# Altium PCB STM32H743II.PcbDoc (part 1 of 3) (continued)
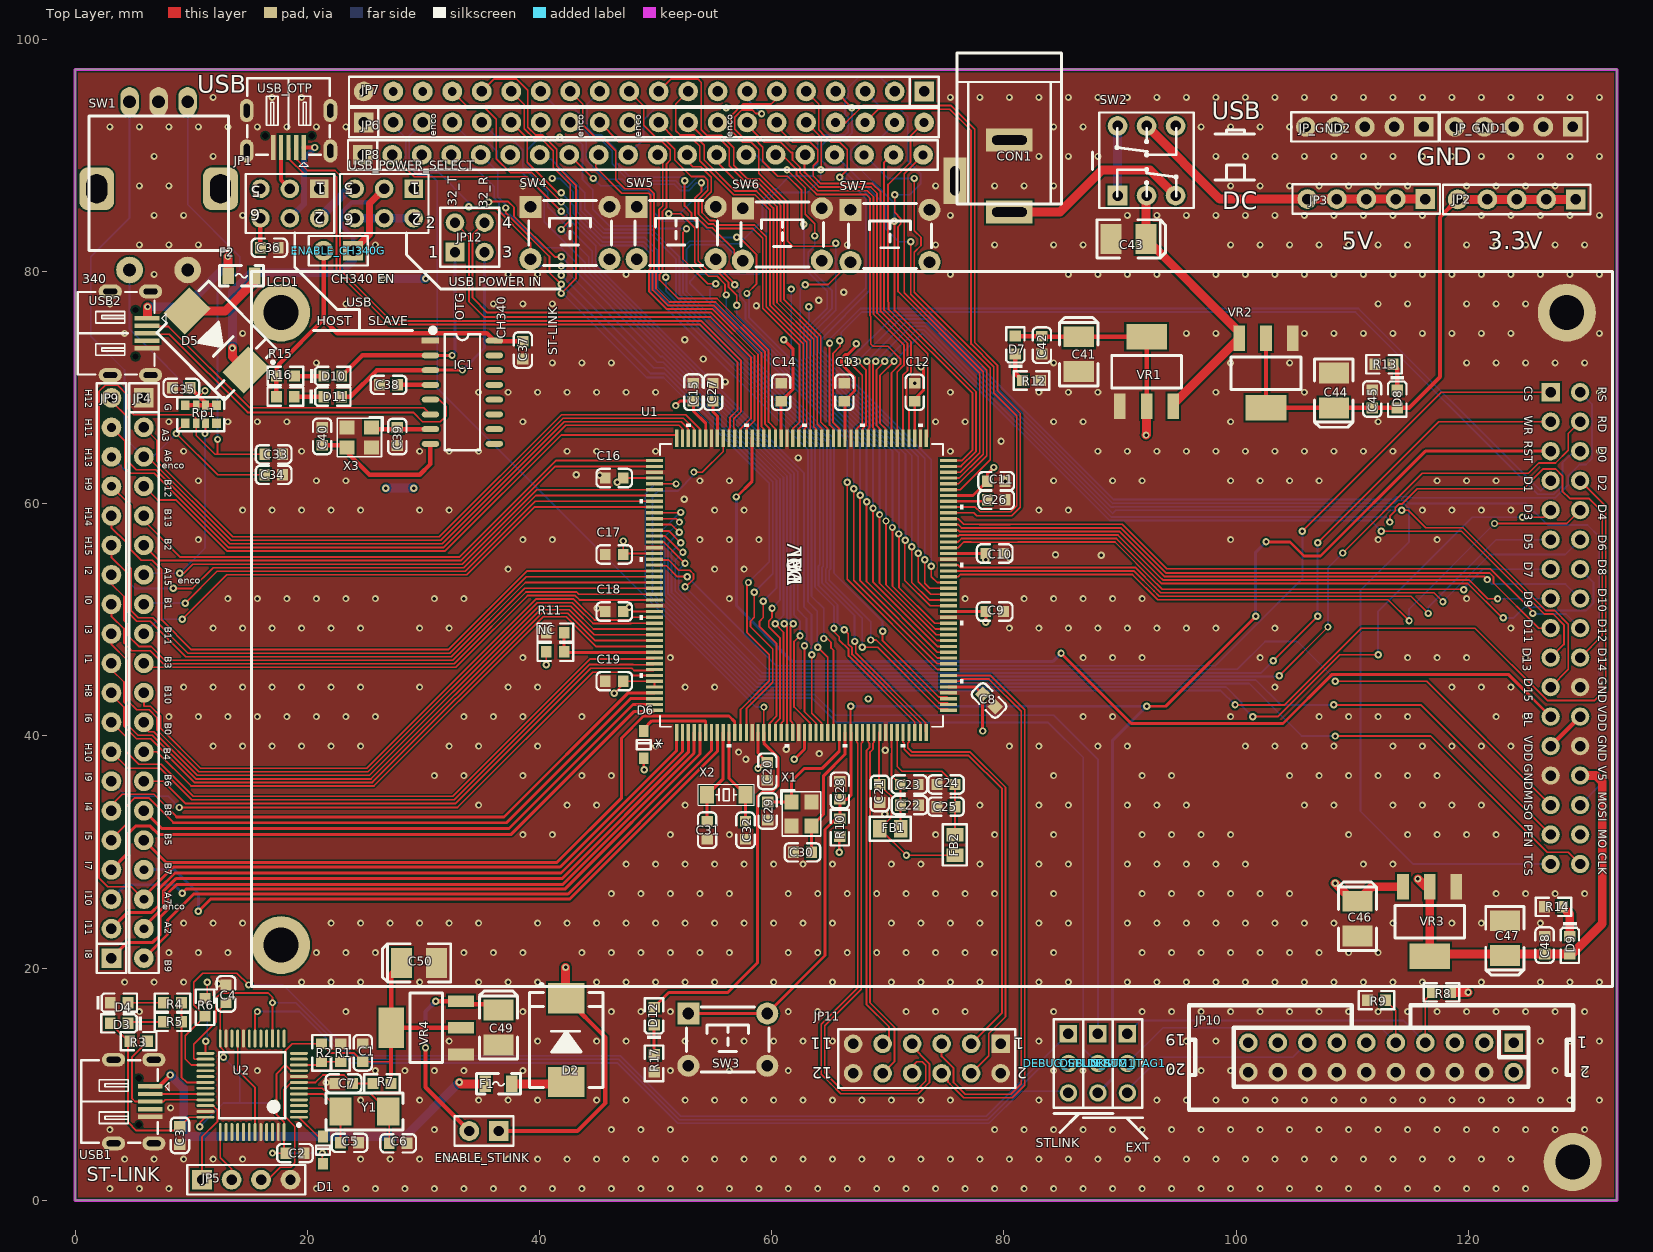
[diagram p0: Top Layer view]
## Components (designator, comment, footprint, x,y, rotation, side; value= is the part's Value field where it differs from the comment) (continued)
NC "" 0603_R 41.362,47.244 r0 top
R1 "4.7KΩ (4701) ±1%" 0603_R 22.878,12.708 r270 top
R2 "4.7KΩ (4701) ±1%" 0603_R 21.227,12.708 r90 top
R3 "1.5KΩ (1501) ±1%" 0603_R 5.479,13.702 r180 top
R4 "1KΩ (1001) ±1%" 0603_R 8.392,17.018 r0 top
R5 "1KΩ (1001) ±1%" 0603_R 8.392,15.367 r0 top
R6 "100Ω (1000) ±1%" 0603_R 11.194,16.629 r90 top
R7 "10KΩ (1002) ±1%" 0603_R 26.442,10.063 r0 top
R8 "10KΩ (1002) ±1%" 0603_R 117.689,17.907 r0 top
R9 "10KΩ (1002) ±1%" 0603_R 112.093,17.236 r0 top
R10 "10KΩ (1002) ±1%" 0603_R 65.873,32.096 r270 top
R11 "10KΩ (1002) ±1%" 0603_R 41.362,48.895 r0 top
R12 "1KΩ (1001) ±1%" 0603_R 82.383,70.612 r180 top
R13 "1KΩ (1001) ±1%" 0603_R 112.736,72.009 r0 top
R14 "1KΩ (1001) ±1%" 0603_R 127.341,25.273 r0 top
R15 "3.3KΩ (3301) ±1%" 0603_R 18.134,70.993 r180 top
R16 "3.3KΩ (3301) ±1%" 0603_R 18.117,69.215 r180 top
R17 "3.3KΩ (3301) ±1%" 0603_R 49.871,11.803 r90 top
Rp1 "10KΩ (103) ±5%" 0603_Rx4 10.832,67.708 r0 top
SW1 "EC11" EC11-B 7.199,87.376 r90 top
SW2 "KET 8X8" "KFT DIP-8X8" 92.289,89.535 r0 top
SW3 "6x6x5" "TSW DIP-6*6*6" 56.221,13.843 r0 top
SW4 "6x6x5" "TSW DIP-6*6*6" 42.632,83.312 r0 top
SW5 "6x6x5" "TSW DIP-6*6*6" 51.776,83.312 r0 top
SW6 "6x6x5" "TSW DIP-6*6*6" 60.92,83.185 r0 top
SW7 "6x6x5" "TSW DIP-6*6*6" 70.191,83.058 r0 top
U1 "STM32H7x3IIT" LQFP176_24x24mm 62.571,52.959 r90 top value=Value
U2 "STM32F103C8T6" STM-LQFP48_L 15.257,9.906 r180 top
USB1 "USB-5P" USB-MICRO_D 3.32,8.509 r270 top
USB2 "USB-5P" USB-MICRO_D 3.034,74.676 r270 top
USB_OTP "USB-5P" USB-MICRO_D 18.388,93.853 r180 top
USB_POWER_SELECT "Header3X2" HDR2.54-LI-2x3P 26.63,85.852 r180 top
VR1 "AMS1117-3.3" SOT-223 92.289,71.374 r270 top
VR2 "AMS1117-3.3" SOT-223 102.576,71.247 r90 top
VR3 "AMS1117-5.0" SOT-223 116.673,24.003 r90 top
VR4 "AMS1117-3.3" SOT-223 30.244,14.859 r0 top
X1 "25M_12P" "OSC 3225-4P" 62.571,33.274 r270 top
X2 "32.768kHz_12.5P" "OSC 3215-2P" 56.094,34.925 r0 top
X3 "12M_20P" "OSC 3225-4P" 24.488,65.698 r180 top
Y1 "8MHz ±20ppm 20pF" SMD-5032_2P 24.928,7.656 r0 top

## Footprints (in the part's own frame and the unit in brackets; to place one, negate y for a bottom-side part, rotate by r counter-clockwise, add the part's x,y. Pads: shape width x height; smd on the part's side, far side on the other; paste and mask are expansions set on the pad)
0603_C [mm]
  rect 0.93x0.98 smd: 1(-0.77,0) 2(0.77,0)
  silkscreen extent -1.54,-0.79 1.54,0.79, body extent -0.8,-0.4 0.8,0.4, height 0.3
0603_LED_S1 [mm]
  rect 0.93x0.98 smd: A(0.77,0) K(-0.77,0)
  silkscreen extent -1.97,-0.79 1.54,0.79, body extent -0.8,-0.4 0.8,0.4, height 0.6
0603_R [mm]
  rect 0.93x0.98 smd: 1(-0.77,0) 2(0.77,0)
  silkscreen extent -1.53,-0.79 1.54,0.79, body extent -0.85,-0.4 0.85,0.4, height 0.56
0603_Rx4 [mm]
  rect 0.75x0.8 smd mask+0.051: 1(-1.35,-0.77) 4(1.35,-0.77) 5(1.35,0.77) 8(-1.35,0.77)
  rect 0.58x0.8 smd mask+0.051: 2(-0.4,-0.77) 3(0.4,-0.77) 6(0.4,0.77) 7(-0.4,0.77)
  silkscreen extent -2.03,-1.47 2.03,1.47, body extent -1.6,-0.8 1.6,0.8, height 0.55
0805_L [mm]
  rect 1.16x1.47 smd: 1(-0.89,0) 2(0.89,0)
  silkscreen extent -1.77,-1.04 1.77,1.03, body extent -1.02,-0.64 1.03,0.64, height 0.6
CASE-B_3528 [mm]
  rect 1.8x2.6 smd: 1(1.5,0) 2(-1.5,0)
  silkscreen extent -2.73,-1.65 3.16,1.65, body extent -1.85,-1.47 1.85,1.46, height 2.03
DB2*17-3.5 [mil]
  round 196.85 hole 118.11: 0(140.16,100) 0(2284.84,100)
  rect 62x62 hole 35: 1(410,4405)
  round 62 hole 35: 2(410,4505) 3(510,4405) 4(510,4505) 5(610,4405) 6(610,4505) 7(710,4405) 8(710,4505) 9(810,4405) 10(810,4505) 11(910,4405) 12(910,4505) 13(1010,4405) 14(1010,4505) 15(1110,4405) 16(1110,4505) 17(1210,4405) 18(1210,4505) 19(1310,4405) 20(1310,4505) 21(1410,4405) 22(1410,4505) 23(1510,4405) 24(1510,4505) 25(1610,4405) 26(1610,4505) 27(1710,4405) 28(1710,4505) 29(1810,4405) 30(1810,4505) 31(1910,4405) 32(1910,4505) 33(2010,4405) 34(2010,4505)
  silkscreen extent 0,0 2425,4615, body extent -5,-5 2430,4620, height 472
DC-005 [mm] "5.5*2.1mm，DC30V,2.5A"
  rect 2x4 hole 0.8 slot 3 at 90 deg: 1(-6.2,0) 2(0,0)
  rect 4x2 hole 0.8 slot 2.5 at 0 deg: 3(-3.5,4.7)
  silkscreen extent -5.48,-4.5 7.5,4.5, body extent -6.55,-4.5 7.5,4.8, height 11.2
EC11-B [mm] "数字开关编码器"
  rrect50% 3.7x3 hole 1.8 slot 2.5 at 0 deg: 0(-0.254,5.334) 0(-0.254,-5.334)
  round 2.3 hole 1.1: 1(-7.25,2.5) 2(-7.25,-2.5)
  oval 2.5x1.6 hole 1.1: A(7.25,-2.5) B(7.25,2.5) C(7.25,0)
  silkscreen extent -5.59,-6 6,6, body extent -7.4,-6.24 7.4,6.24, height 22
"FU 0805" [mil] "贴片保险丝"
  rect 40x55 smd: 1(-45,0) 2(45,0)
  silkscreen extent -75,-35 75,35, body extent -39,-24 39,24, height 20
HDR1X3 [mm] "Connector; Header; 3 Position"
  rect 1.5x1.5 hole 0.9: 1(0,0)
  round 1.5 hole 0.9: 2(2.54,0) 3(5.08,0)
  silkscreen extent -1.27,-1.27 6.35,1.27
HDR2.54-LI-2P [mm] "排针，2脚"
  rect 1.7x1.7 hole 0.9: 1(-1.27,0)
  round 1.7 hole 0.9: 2(1.27,0)
  silkscreen extent -2.54,-1.27 2.54,1.27, body extent -2.54,-1.27 2.54,1.27, height 8.5
HDR2.54-LI-2x2P [mm] "双排排针，2x2脚"
  rect 1.6x1.6 hole 0.9: 1(-1.27,-1.27)
  round 1.6 hole 0.9: 2(-1.27,1.27) 3(1.27,-1.27) 4(1.27,1.27)
  silkscreen extent -2.54,-2.54 2.54,2.54, body extent -2.54,-2.54 2.54,2.54, height 8.5
HDR2.54-LI-2x3P [mm] "双排排针，3x2脚"
  rect 1.6x1.6 hole 0.9: 1(-2.54,-1.27)
  round 1.6 hole 0.9: 2(-2.54,1.27) 3(0,-1.27) 4(0,1.27) 5(2.54,-1.27) 6(2.54,1.27)
  silkscreen extent -3.81,-2.54 3.81,2.54, body extent -3.81,-2.54 3.81,2.54, height 8.5
HDR2.54-LI-2x6P [mm] "双排排针，6x2脚"
  rect 1.6x1.6 hole 0.9: 1(-6.35,-1.27)
  round 1.6 hole 0.9: 2(-6.35,1.27) 3(-3.81,-1.27) 4(-3.81,1.27) 5(-1.27,-1.27) 6(-1.27,1.27) 7(1.27,-1.27) 8(1.27,1.27) 9(3.81,-1.27) 10(3.81,1.27) 11(6.35,-1.27) 12(6.35,1.27)
  silkscreen extent -7.62,-2.54 7.62,2.54, body extent -7.62,-2.54 7.62,2.54, height 8.5
HDR2.54-LI-4P [mm] "排针，4脚"
  rect 1.7x1.7 hole 0.9: 1(-3.81,0)
  round 1.7 hole 0.9: 2(-1.27,0) 3(1.27,0) 4(3.81,0)
  silkscreen extent -5.08,-1.27 5.08,1.27, body extent -5.08,-1.27 5.08,1.27, height 8.5
HDR2.54-LI-5P [mm] "排针，5脚"
  rect 1.7x1.7 hole 0.9: 1(-5.08,0)
  round 1.7 hole 0.9: 2(-2.54,0) 3(0,0) 4(2.54,0) 5(5.08,0)
  silkscreen extent -6.35,-1.27 6.35,1.27, body extent -6.35,-1.27 6.35,1.27, height 8.5
HDR2.54-LI-20P [mm] "排针，20脚"
  rect 1.7x1.7 hole 0.9: 1(-24.13,0)
  round 1.7 hole 0.9: 2(-21.59,0) 3(-19.05,0) 4(-16.51,0) 5(-13.97,0) 6(-11.43,0) 7(-8.89,0) 8(-6.35,0) 9(-3.81,0) 10(-1.27,0) 11(1.27,0) 12(3.81,0) 13(6.35,0) 14(8.89,0) 15(11.43,0) 16(13.97,0)
  round 1.7 hole 0.762: 17(16.51,0) 18(19.05,0) 19(21.59,0) 20(24.13,0)
  silkscreen extent -25.4,-1.27 25.4,1.27, body extent -25.4,-1.27 25.4,1.27, height 8.5
IDC2.54-LI-2x10P [mm] "20P简易牛角座"
  rect 1.6x1.6 hole 0.9: 1(0,0)
  round 1.6 hole 0.9: 2(0,2.54) 3(2.54,0) 4(2.54,2.54) 5(5.08,0) 6(5.08,2.54) 7(7.62,0) 8(7.62,2.54) 9(10.16,0) 10(10.16,2.54) 11(12.7,0) 12(12.7,2.54) 13(15.24,0) 14(15.24,2.54) 15(17.78,0) 16(17.78,2.54) 17(20.32,0) 18(20.32,2.54) 19(22.86,0) 20(22.86,2.54)
  silkscreen extent -5.11,-3.23 27.97,5.77, body extent -5.08,-3.08 27.94,5.77, height 9.17
"KFT DIP-8X8" [mm] "自锁开关，规格：8*8mm"
  rect 1.7x1.7 hole 0.9: 1(-2.5,-3)
  round 1.7 hole 0.9: 2(0,-3) 3(2.5,-3) 4(2.5,3) 5(0,3) 6(-2.5,3)
  silkscreen extent -4.06,-4.06 4.06,4.15, body extent -3.95,-3.95 4.05,4.05, height 13.1
LQFP176_24x24mm [mil]
  rect 58x11 smd: 1(-499,423.23) 2(-499,403.54) 3(-499,383.86) 4(-499,364.17) 5(-499,344.49) 6(-499,324.8) 7(-499,305.12) 8(-499,285.43) 9(-499,265.75) 10(-499,246.06) 11(-499,226.38) 12(-499,206.69) 13(-499,187.01) 14(-499,167.32) 15(-499,147.64) 16(-499,127.95) 17(-499,108.27) 18(-499,88.58) 19(-499,68.9) 20(-499,49.21) 21(-499,29.53) 22(-499,9.84) 23(-499,-9.84) 24(-499,-29.53) 25(-499,-49.21) 26(-499,-68.9) 27(-499,-88.58) 28(-499,-108.27) 29(-499,-127.95) 30(-499,-147.64) 31(-499,-167.32) 32(-499,-187.01) 33(-499,-206.69) 34(-499,-226.38) 35(-499,-246.06) 36(-499,-265.75) 37(-499,-285.43) 38(-499,-305.12) 39(-499,-324.8) 40(-499,-344.49) 41(-499,-364.17) 42(-499,-383.86) 43(-499,-403.54) 44(-499,-423.23) 89(499,-423.23) 90(499,-403.54) 91(499,-383.86) 92(499,-364.17) 93(499,-344.49) 94(499,-324.8) 95(499,-305.12) 96(499,-285.43) 97(499,-265.75) 98(499,-246.06) 99(499,-226.38) 100(499,-206.69) 101(499,-187.01) 102(499,-167.32) 103(499,-147.64) 104(499,-127.95) 105(499,-108.27) 106(499,-88.58) 107(499,-68.9) 108(499,-49.21) 109(499,-29.53) 110(499,-9.84) 111(499,9.84) 112(499,29.53) 113(499,49.21) 114(499,68.9) 115(499,88.58) 116(499,108.27) 117(499,127.95) 118(499,147.64) 119(499,167.32) 120(499,187.01) 121(499,206.69) 122(499,226.38) 123(499,246.06) 124(499,265.75) 125(499,285.43) 126(499,305.12) 127(499,324.8) 128(499,344.49) 129(499,364.17) 130(499,383.86) 131(499,403.54) 132(499,423.23)
  rect 11x58 smd: 45(-423.23,-499) 46(-403.54,-499) 47(-383.86,-499) 48(-364.17,-499) 49(-344.49,-499) 50(-324.8,-499) 51(-305.12,-499) 52(-285.43,-499) 53(-265.75,-499) 54(-246.06,-499) 55(-226.38,-499) 56(-206.69,-499) 57(-187.01,-499) 58(-167.32,-499) 59(-147.64,-499) 60(-127.95,-499) 61(-108.27,-499) 62(-88.58,-499) 63(-68.9,-499) 64(-49.21,-499) 65(-29.53,-499) 66(-9.84,-499) 67(9.84,-499) 68(29.53,-499) 69(49.21,-499) 70(68.9,-499) 71(88.58,-499) 72(108.27,-499) 73(127.95,-499) 74(147.64,-499) 75(167.32,-499) 76(187.01,-499) 77(206.69,-499) 78(226.38,-499) 79(246.06,-499) 80(265.75,-499) 81(285.43,-499) 82(305.12,-499) 83(324.8,-499) 84(344.49,-499) 85(364.17,-499) 86(383.86,-499) 87(403.54,-499) 88(423.23,-499) 133(423.23,499) 134(403.54,499) 135(383.86,499) 136(364.17,499) 137(344.49,499) 138(324.8,499) 139(305.12,499) 140(285.43,499) 141(265.75,499) 142(246.06,499) 143(226.38,499) 144(206.69,499) 145(187.01,499) 146(167.32,499) 147(147.64,499) 148(127.95,499) 149(108.27,499) 150(88.58,499) 151(68.9,499) 152(49.21,499) 153(29.53,499) 154(9.84,499) 155(-9.84,499) 156(-29.53,499) 157(-49.21,499) 158(-68.9,499) 159(-88.58,499) 160(-108.27,499) 161(-127.95,499) 162(-147.64,499) 163(-167.32,499) 164(-187.01,499) 165(-206.69,499) 166(-226.38,499) 167(-246.06,499) 168(-265.75,499) 169(-285.43,499) 170(-305.12,499) 171(-324.8,499) 172(-344.49,499) 173(-364.17,499) 174(-383.86,499) 175(-403.54,499) 176(-423.23,499)
  silkscreen extent -548,-548 548,548, body extent -514,-514 514,514, height 63
"OSC 3215-2P" [mm] "3.2*1.5*0.6mm(长宽高)"
  rect 1.2x1.5 smd: 1(-1.65,0) 2(1.65,0)
  silkscreen extent -2.41,-0.89 2.41,0.89, body extent -1.6,-0.75 1.6,0.75, height 0.61
"OSC 3225-4P" [mm] "3.2*2.5*0.7mm(长宽高)"
  rect 1.3x1.2 smd: 1(-1.05,-0.85) 2(1.05,-0.85) 3(1.05,0.85) 4(-1.05,0.85)
  silkscreen extent -2.03,-1.75 1.91,1.65, body extent -1.6,-1.25 1.6,1.25, height 0.7
SMC [mm] "7.1x5.9*2.3mm（长宽高，不包括引脚）"
  rect 2.6x3.15 smd: 1(-3.6,0) 2(3.6,0)
  silkscreen extent -4.1,-3.15 4.87,3.15, body extent -3.95,-2.9 3.95,2.9, height 2.45
SMD-5032_2P [mm]
  rect 1.9x2.4 smd: 1(-2.05,0) 2(2.05,0)
  silkscreen extent -3.32,-1.6 3.32,1.6
SOD-323 [mm]
  rect 1x0.83 smd: 1(1.18,0) 2(-1.18,0)
  silkscreen extent -0.4,-0.6 0.4,0.6, body extent -1.35,-0.62 1.35,0.63, height 1.1
SOP16_L [mm] "10.3*6.2*1.8mm（长宽高）"
  rect 1.5x0.5 smd: 1(-2.752,4.445)
  oval 1.5x0.5 smd: 2(-2.752,3.175) 3(-2.752,1.905) 4(-2.752,0.635) 5(-2.752,-0.635) 6(-2.752,-1.905) 7(-2.752,-3.175) 8(-2.752,-4.445) 9(2.752,-4.445) 10(2.752,-3.175) 11(2.752,-1.905) 12(2.752,-0.635) 13(2.752,0.635) 14(2.752,1.905) 15(2.752,3.175) 16(2.752,4.445)
  silkscreen extent -2.69,-5 1.52,5.49, body extent -3,-5 3,5, height 1.9
SOT-223 [mm]
  rect 2.2x1 smd: 1(3,-2.3) 2(3,0) 3(3,2.3)
  rect 2.2x3.5 smd: 2(-3,0)
  silkscreen extent -1.4,-3 1.4,3, body extent -3.49,-3.24 3.49,3.24, height 1.64
STM-LQFP48_L [mm] "QFP, 48-Leads, Body 7x7mm, Pitch 0.5mm, IPC High Density"
  oval 1.55x0.25 smd: 1(-4.025,2.75) 2(-4.025,2.25) 3(-4.025,1.75) 4(-4.025,1.25) 5(-4.025,0.75) 6(-4.025,0.25) 7(-4.025,-0.25) 8(-4.025,-0.75) 9(-4.025,-1.25) 10(-4.025,-1.75) 11(-4.025,-2.25) 12(-4.025,-2.75) 25(4.025,-2.75) 26(4.025,-2.25) 27(4.025,-1.75) 28(4.025,-1.25) 29(4.025,-0.75) 30(4.025,-0.25) 31(4.025,0.25) 32(4.025,0.75) 33(4.025,1.25) 34(4.025,1.75) 35(4.025,2.25) 36(4.025,2.75)
  oval 0.25x1.55 smd: 13(-2.75,-4.025) 14(-2.25,-4.025) 15(-1.75,-4.025) 16(-1.25,-4.025) 17(-0.75,-4.025) 18(-0.25,-4.025) 19(0.25,-4.025) 20(0.75,-4.025) 21(1.25,-4.025) 22(1.75,-4.025) 23(2.25,-4.025) 24(2.75,-4.025) 37(2.75,4.025) 38(2.25,4.025) 39(1.75,4.025) 40(1.25,4.025) 41(0.75,4.025) 42(0.25,4.025) 43(-0.25,4.025) 44(-0.75,4.025) 45(-1.25,4.025) 46(-1.75,4.025) 47(-2.25,4.025) 48(-2.75,4.025)
  silkscreen extent -4.15,-2.85 2.85,3.55, body extent -3.5,-3.5 3.5,3.5, height 1.6
"TSW DIP-6*6*6" [mm] "6*6*6mm"
  rect 1.9x1.9 hole 1: 1(-3.4,2.25)
  round 1.9 hole 1: 2(-3.4,-2.25) 3(3.4,-2.25) 4(3.4,2.25)
  silkscreen extent -3.56,-2.79 3.56,2.79, body extent -4.11,-3 4.11,3, height 5.95
USB-MICRO_D [mm] "micro型USB ，6.7*7.5*2.5mm"
  round 0 hole 0.55 unplated: 0(-2,2.17) 0(2,2.17)
  rect 0.381x2.15 smd: 1(-1.3,3.16) 2(-0.65,3.16) 3(0,3.16) 4(0.65,3.16) 5(1.3,3.16)
  oval 1.2x2 hole 0.5 slot 1.2 at 90 deg: 5(-3.6,3.47) 5(-3.6,0) 5(3.6,3.47) 5(3.6,0)
  silkscreen extent -3.56,-2.79 3.56,4.81, body extent -3.99,-2.75 3.99,3.95, height 2.79

## Part data
C1 C2 C3 C4 C7 C8 C9 C10 C11 C12 C13 C14 C15 C16 C17 C18 C19 C20 C21 C23 C25 C28 C33 C34 C35 C36 C37 C38 C42 C45 C48: library part "0603 100nF (104) 10% 50V", "贴片电容", Package=0603, SuppliersPartNumber=C14663, ComponentLink1Description=供?, ComponentLink1URL=http://www.szlcsc.com/product/details_15331.html, Supplier=LC
C5 C6 C39 C40: library part "0603 20pF (200) 5% 50V", "贴片电容", Package=0603, SuppliersPartNumber=C1648, ComponentLink1Description=供?, ComponentLink1URL=http://www.szlcsc.com/product/details_2000.html, Supplier=LC
C22 C26 C27: library part "0603 2.2uF (225) 10% 16V", "贴片电容", Package=0603, SuppliersPartNumber=C23630, ComponentLink1Description=供?, ComponentLink1URL=http://www.szlcsc.com/product/details_24366.html, Supplier=LC
C24: library part "0603 10uF (106) 10% 10V", "贴片电容", Package=0603, SuppliersPartNumber=C19702, ComponentLink1Description=供?, ComponentLink1URL=http://www.szlcsc.com/product/details_20411.html, Supplier=LC
C29 C30 C31 C32: library part "0603 12pF (120) 5% 50V", "贴片电容", Package=0603, SuppliersPartNumber=C38523, ComponentLink1Description=供?, ComponentLink1URL=http://www.szlcsc.com/product/details_39506.html, Supplier=LC
C41 C43 C44 C46 C47 C49 C50: library part "3528 100uF (107) 10% 6.3V", "钽电容", Package=3528, SuppliersPartNumber=C16133, ComponentLink1Description=供?, ComponentLink1URL=http://www.szlcsc.com/product/details_16815.html, Supplier=LC
CON1: library part P-DC, "低压电源接口"
D1 D6: library part "SOD-323 1N4148WS T4", "二极管", Package=SOD-323, SuppliersPartNumber=C2128, ComponentLink1Description=供?, ComponentLink1URL=http://www.szlcsc.com/product/details_2485.html, Supplier=LC
D2 D5: "肖特基二极管"
D3: library part "0603 绿灯", "发光二极管", Package=0603, SuppliersPartNumber=C72043, ComponentLink1Description=供?, ComponentLink1URL=http://www.szlcsc.com/product/details_73152.html, Supplier=LC
D4 D7 D8 D9 D10 D11 D12: library part "0603 红灯", "发光二极管", Package=0603, SuppliersPartNumber=C2286, ComponentLink1Description=供?, ComponentLink1URL=http://www.szlcsc.com/product/details_2659.html, Supplier=LC
DEBUG_JTAG1 DEBUG_STLINK1 DEBUG_STM1: "Header, 3-Pin", LatestRevisionDate=17-Jul-2002, LatestRevisionNote="Re-released for DXP Platform.", Publisher="Altium Limited"
ENABLE_CH340G ENABLE_STLINK: library part "Header 2", "2P接插件"
F1 F2: library part FU, "贴片保险丝"
FB1 FB2: library part "0805 600Ω 25% 100MHz", "贴片磁珠", Package=0805, SuppliersPartNumber=C1017, ComponentLink1Description=供?, ComponentLink1URL=http://www.szlcsc.com/product/details_1369.html, Supplier=LC
IC1: "串口转USB"
JP1 USB_POWER_SELECT: library part "Header 3X2", "3*2P接插件"
JP2 JP3 JP_GND1 JP_GND2: library part "Header 5", "5P接插件"
JP4 JP6 JP7 JP8 JP9: library part "Header 20", "20P接插件"
JP5: library part "Header 4", "4P接插件"
JP10: library part "Header 10X2", "10*2P接插件", BOM名称=1
JP11: library part "Header  6X2", "6*2P接插件"
JP12: library part "Header 2X2", "2*2P接插件"
NC: library part "0603 0Ω (0R0) 1%", "贴片电阻", Package=0603, SuppliersPartNumber=C21189, ComponentLink1Description=供?, ComponentLink1URL=http://www.szlcsc.com/product/details_21903.html, Supplier=LC
R1 R2: library part "0603 4.7KΩ (4701) 1%", "贴片电阻", Package=0603, SuppliersPartNumber=C23162, ComponentLink1Description=供?, ComponentLink1URL=http://www.szlcsc.com/product/details_23889.html, Supplier=LC
R3: library part "0603 1.5KΩ (1501) 1%", "贴片电阻", Package=0603, SuppliersPartNumber=C22843, ComponentLink1Description=供?, ComponentLink1URL=http://www.szlcsc.com/product/details_23570.html, Supplier=LC
R4 R5 R12 R13 R14: library part "0603 1KΩ (1001) 1%", "贴片电阻", Package=0603, SuppliersPartNumber=C21190, ComponentLink1Description=供?, ComponentLink1URL=http://www.szlcsc.com/product/details_21904.html, Supplier=LC
R6: library part "0603 100Ω (1000) 1%", "贴片电阻", Package=0603, SuppliersPartNumber=C22775, ComponentLink1Description=供?, ComponentLink1URL=http://www.szlcsc.com/product/details_23502.html, Supplier=LC
R7 R8 R9 R10 R11: library part "0603 10KΩ (1002) 1%", "贴片电阻", Package=0603, SuppliersPartNumber=C25804, ComponentLink1Description=供?, ComponentLink1URL=http://www.szlcsc.com/product/details_26547.html, Supplier=LC
R15 R16 R17: library part "0603 3.3KΩ (3301) 1%", "贴片电阻", Package=0603, SuppliersPartNumber=C22978, ComponentLink1Description=供?, ComponentLink1URL=http://www.szlcsc.com/product/details_23705.html, Supplier=LC
Rp1: library part "0603*4  10KΩ (103) 5%", "贴片排阻", Package=0603*4, SuppliersPartNumber=C29718, ComponentLink1Description=供?, ComponentLink1URL=http://www.szlcsc.com/product/details_30472.html, Supplier=LC
SW1: "数字开关编码器"
SW2: "8*8自锁开关"
SW3 SW4 SW5 SW6 SW7: library part "TSW DIP-6x6", "直插6x6轻触开关"
U1: "Imported", Manufacturer_Part_Number=stm32h7x3iit, Copyright="Copyright (C) 2016 Accelerated Designs. All rights reserved", RefDes=RefDes, Type=Type, Vendor=STMicroelectronics
U2: library part CMP-0237-00215-3, "ARM Cortex-M3 32-bit MCU, 64 KB Flash, 20 KB Internal RAM, 37 I/Os, 48-pin LQFP, -40 to 85 degC, Tray", I/Os (High Current)=37, Operating Frequency(F) (Processor speed) (MHz)=72, Supply Voltage(Vcc) min (V)=2, A/D Converter="2x12-bit (10 Channel)", ComponentLink1Description="Manufacturer URL", ComponentLink1URL=http://www.st.com/web/en/home.html, ComponentLink2Description=Datasheet, ComponentLink2URL=http://www.st.com/st-web-ui/static/active/en/resource/technical/document/datasheet/CD00161566.pdf, ComponentLink3Description="Package Specification", ComponentLink3URL=http://www.st.com/st-web-ui/static/active/en/resource/technical/document/datasheet/DM00058181.pdf, Core="ARM Cortex-M3", DatasheetVersion="Rev. 16", FLASH Size (Prog) (kB)=64, Internal RAM Size (kB)=20, Mounting Technology="Surface Mount", PackageDescription="48-Pin Low Profile Quad Flat Package, 7 x 7 mm Body, 0.5 mm Pitch", PackageReference=LQFP48, PackageVersion="Rev. 6, 06/2013", Packing=Tray, PartId=1, PartNumber=STM32F103C8T6
USB1 USB2 USB_OTP: "微型USB母座"
VR1 VR2 VR4: library part "SOT-223 AMS1117-3.3", "低压差线性稳压(LDO)", Package=SOT-223, SuppliersPartNumber=C6186, ComponentLink1Description=供?, ComponentLink1URL=http://www.szlcsc.com/product/details_6652.html, Supplier=LC
VR3: library part "SOT-223 AMS1117-5.0", "低压差线性稳压(LDO)", Package=SOT-223, SuppliersPartNumber=C6187, ComponentLink1Description=供?, ComponentLink1URL=http://www.szlcsc.com/product/details_6653.html, Supplier=LC
X1 X3: library part XTAL-4P, "4脚无源晶振"
X2: library part XTAL-2P, "2脚无源脚晶振"
Y1: library part "SMD-5032_2P 8MHz 20ppm 20pF", "贴片晶振", Package=SMD-5032_2P, SuppliersPartNumber=C115962, ComponentLink1Description=供?, ComponentLink1URL=http://www.szlcsc.com/product/details_117214.html, Supplier=LC

## Free pads (board coordinates)
  round 5 hole 3: 1(128.48,76.454) 1(128.988,3.302)

## Via types
v1: diameter 0.6, hole 0.3, Top Layer to Bottom Layer, 798 vias
v2: diameter 0.635, hole 0.305, Top Layer to Bottom Layer, 191 vias

## Nets (pads, with @x,y where several pads share a name; then routed paths per layer and width w, separated by ;. In a path a pad name is that pad's centre, name@x,y a point inside that pad or via, vN(x,y) a via of type N, cw(c..) or ccw(c..) an arc to the next point about the centre after c; other vN are vias at no path point)
+3.3V: C8.2 C9.2 C10.2 C11.2 C12.2 C13.2 C14.2 C15.2 C16.2 C17.2 C18.2 C19.2 C20.2 C21.2 C35.1 C41.1 C42.2 D6.1 D7.A FB1.2 FB2.2 JP10.1 JP10.2 LCD1.24 LCD1.25 NC.1 R8.2 R10.2 Rp1.5 Rp1.6 Rp1.7 Rp1.8 U1.15 U1.23 U1.36 U1.49 U1.62 U1.72 U1.82 U1.91 U1.103 U1.114 U1.127 U1.136 U1.149 U1.159 U1.171 U1.172 VR1.2 | length 416.3
  Top Layer w0.152: 10.681,69.228 10.699,69.228 v2(11.194,69.723) ; v2(40.592,46.133) NC.1@40.592,47.244 ; v2(46.442,43.688) 47.212,44.458 C19.2@47.212,44.709 U1.171@49.897,44.709 U1.172@49.897,44.209 ; v2(47.212,56.786) C17.2@47.212,55.626 47.295,55.709 U1.149@49.897,55.709 ; C16.2@47.212,62.209 U1.136@49.897,62.209 ; v2(47.73,51.082) 48.103,50.709 U1.159@49.897,50.709 ; U1.36@69.235,40.284 69.235,35.814 70.318,34.817 70.318,33.001 FB1.2@69.321,32.004 v2(71.608,29.717) FB2.2@75.779,29.717
  Top Layer w0.254: D6.1@48.982,38.063 48.982,37.121 v2(49.019,37.084) ; v2(51.731,68.453) 52.108,68.83 C15.2@53.252,68.83 53.252,67.993 54.321,66.924 U1.127@54.321,65.634 ; v2(58.821,37.211) 59.329,37.719 C20.2@59.621,37.719 58.821,38.519 U1.15@58.821,40.284 ; U1.114@60.821,65.634 C14.2@60.821,68.826 61.821,69.826 61.821,73.352 v2(61.047,74.126) ; v2(61.936,37.973) 62.821,38.858 U1.23@62.821,40.284 ; v2(65.821,29.972) 65.821,31.274 R10.2@65.873,31.326 ; U1.103@66.321,65.634 66.321,68.759 C13.2@66.254,68.826 67.124,69.695 67.124,70.898 66.006,72.016 66.006,72.51 66.356,72.86 66.573,72.86 v2@67.27,73.557 ; U1.91@72.321,65.634 C12.2@72.321,68.826 72.321,69.016 73.091,69.785 73.091,71.571 v2(72.861,71.801) ; U1.49@75.246,44.209 77.558,44.209 C8.2@78.169,43.597 v2(78.169,40.423) ; U1.62@75.246,50.709 C9.2@78.438,50.709 78.449,50.698 v2(78.449,49.784) ; U1.72@75.246,55.709 C10.2@78.438,55.709 ; U1.82@75.246,60.709 77.339,60.709 C11.2@78.565,61.936 78.565,62.549 v2(79.135,63.119)
  Top Layer w0.381: Rp1.8@9.482,68.478 Rp1.7@10.432,68.478 Rp1.6@11.431,68.478 ; C35.1@9.932,69.977 10.681,69.228 Rp1.6@11.431,68.478 ; Rp1.5@12.182,68.478 11.644,68.478 ; D7.A@80.986,74.43 83.264,74.43 C42.2@83.272,74.422 83.32,74.374 C41.1@86.447,74.374 VR1.2@92.289,74.374 VR1.2@92.289,68.374 ; LCD1.25@127.087,39.12 LCD1.24@129.627,41.66 ; Rp1.6@11.431,68.478 11.644,68.478 ; Rp1.6@11.431,68.478 11.644,68.265 11.644,68.478
  Top Layer w0.762: v2(92.241,65.913) 92.289,65.961 VR1.2@92.289,68.374 ; R8.2@118.459,17.907 v2(119.975,17.907)
  Power w0.254: v2(61.047,74.126) 61.047,72.804 61.08,72.771 ; 61.936,37.084 v2(61.936,37.973) ; v2(72.861,71.801) 72.861,73.663 72.985,73.787
  Power w0.762: v2(11.194,69.723) 18.375,69.723 v2(26.757,61.341) ; v2(29.17,61.341) 46.188,61.341 46.442,61.087 ; v2(40.592,46.133) 46.442,46.133 ; v2(46.442,43.688) 46.442,46.133 ; v2(47.212,56.786) 46.553,56.786 46.442,56.896 ; v2(47.73,51.082) 46.442,51.082 ; v2(49.019,37.084) 61.936,37.084 65.873,37.084 ; v2(71.608,29.717) 71.353,29.972 v2(65.821,29.972) 65.873,30.024 65.873,37.084 ; v2(119.975,17.907) 123.785,17.907 123.912,18.034 ; JP10.2@123.912,11.049 123.912,18.034 ; LCD1.24@129.627,41.66 LCD1.25@127.087,39.12 123.912,35.945 123.912,24.892 ; 46.442,46.133 46.442,49.022 46.442,51.082 ; 46.442,51.082 46.442,56.896 ; 46.442,56.896 46.442,61.087 ; 46.442,61.087 46.442,61.595 v2(46.696,61.849) 46.442,62.103 46.442,63.164 v2(51.731,68.453) 56.049,72.771 61.08,72.771 65.873,72.771 66.889,73.787 v2(67.27,73.787) 72.985,73.787 86.955,73.787 92.241,68.501 v2(92.241,65.913) 81.929,65.913 v2(79.135,63.119) 78.449,62.433 v2(78.449,55.167) v2(78.449,49.784) 78.449,40.703 v2(78.169,40.423) ; 65.873,37.084 74.83,37.084 v2(78.169,40.423) ; v2(78.169,40.423) 92.252,40.423 107.783,24.892 123.912,24.892 ; 123.912,18.034 123.912,24.892
  Bottom Layer w0.762: v2(26.757,61.341) v2(29.17,61.341)
+3.3V_O: C44.1 C45.2 D8.A JP2.1 JP2.2 JP2.3 JP2.4 JP2.5 VR2.2 | length 54
  Top Layer w0.381: VR2.2@102.576,74.247 VR2.2@102.576,68.247 ; C44.1@108.418,68.247 VR2.2@102.576,68.247 ; JP2.5@119.086,86.208 117.562,84.684 117.562,70.916 114.894,68.247 D8.A@113.879,68.247 C45.2@111.72,68.247 VR2.2@102.576,68.247
  Top Layer w0.762: JP2.5@119.086,86.208 JP2.4@121.626,86.208 JP2.3@124.166,86.208 JP2.2@126.706,86.208 JP2.1@129.246,86.208
+5V: C36.2 C47.1 C48.2 D9.A JP1.6 LCD1.28 SW2.4 VR3.2 | length 206.5
  Top Layer w0.381: C36.2@15.962,82.042 JP1.6@15.962,84.582
  Top Layer w0.762: v1(115.657,27.686) 116.34,27.003 VR3.2@116.673,27.003 VR3.2@116.673,21.003 116.879,21.209 C48.2@126.566,21.209 D9.A@128.738,21.209 128.908,21.209 131.532,23.834 131.532,36.068 131.02,36.58 LCD1.28@129.627,36.58
  Power w0.762: JP1.6@15.962,84.582 21.169,79.375 v1(26.503,79.375) ; v1(30.186,79.375) 33.463,76.098 76.567,76.098 90.257,89.789 92.543,89.789 94.789,92.035 SW2.4@94.789,92.535 96.607,90.717 96.607,41.021 109.942,27.686 v1(115.657,27.686)
  Bottom Layer w0.762: v1(26.503,79.375) v1(30.186,79.375)
+5V_CH340G: C37.1 ENABLE_CH340G.2 IC1.16 R15.2 R16.2 | length 32.2
  Top Layer w0.381: R16.2@17.347,69.215 17.347,70.976 R15.2@17.364,70.993 17.364,71.711 17.582,71.929 17.582,72.032 21.406,75.857 ; ENABLE_CH340G.2@21.406,81.788 21.406,75.857 ; C37.1@38.568,73.997 36.157,73.997 IC1.16@36.113,74.041 35.478,74.676 22.587,74.676 21.406,75.857
+5V_O: JP3.1 JP3.2 JP3.3 JP3.4 JP3.5 SW2.5 | length 26.6
  Top Layer w0.762: SW2.5@92.289,92.535 98.591,86.233 JP3.5@106.132,86.233 JP3.4@108.672,86.233 JP3.3@111.212,86.233 JP3.2@113.752,86.233 JP3.1@116.292,86.233
ADC_IN10_N: JP11.8 U1.33 | length 43.7
  Top Layer w0.152: U1.33@67.821,40.284 67.821,39.472 67.724,39.374 67.724,18.183 67.419,17.879 64.565,15.024 64.565,10.99 66.068,9.487 72.487,9.487 73.278,10.279 73.278,11.646 72.985,11.938 72.488,11.938 72.096,11.547 JP11.8@72.096,10.938
ADC_IN10_P: JP11.7 U1.32 | length 45.1
  Top Layer w0.152: U1.32@67.321,40.284 67.321,39.472 67.419,39.374 67.419,18.31 64.349,15.24 64.26,15.151 64.26,10.864 65.063,10.061 65.942,9.182 72.613,9.182 73.493,10.063 73.583,10.152 73.583,11.772 73.493,11.861 72.096,13.258 JP11.7@72.096,13.478
ADC_IN12_N: JP11.10 U1.35 | length 30.8
  Top Layer w0.152: U1.35@68.821,40.284 68.821,39.472 68.724,39.374 68.724,38.863 68.464,38.603 68.464,17.008 70.585,14.887 70.585,11.967 JP11.10@69.556,10.938
ADC_IN12_P: JP11.9 U1.34 | length 28
  Top Layer w0.152: U1.34@68.321,40.284 68.321,39.472 68.419,39.374 68.419,38.989 68.159,38.729 68.159,16.882 70.106,14.935 70.106,14.027 JP11.9@69.556,13.478
ADC_IN16_N: JP11.4 U1.41 | length 37
  Top Layer w0.152: U1.41@71.821,40.284 71.821,39.472 71.724,39.374 71.724,38.989 72.105,38.608 77.099,38.608 80.148,35.559 80.148,15.833 78.688,14.373 78.688,12.449 JP11.4@77.176,10.938
ADC_IN16_P: JP11.3 U1.40 | length 34.4
  Top Layer w0.152: U1.40@71.321,40.284 71.321,39.472 71.419,39.374 71.419,38.863 71.978,38.303 76.973,38.303 79.843,35.433 79.843,16.145 JP11.3@77.176,13.478
ADC_IN18_N: JP11.6 U1.51 | length 48.7
  Top Layer w0.152: JP11.6@74.636,10.938 75.183,10.392 75.183,10.198 75.36,10.021 76.072,9.309 76.542,8.839 80.732,8.839 81.799,9.907 81.799,42.24 78.83,45.209 U1.51@75.246,45.209
ADC_IN18_P: JP11.5 U1.50 | length 49.9
  Top Layer w0.152: JP11.5@74.636,13.478 74.636,12.393 75.665,11.364 75.665,10.147 76.668,9.144 80.605,9.144 81.494,10.033 81.494,42.114 78.714,44.895 76.345,44.895 76.159,44.709 U1.50@75.246,44.709
CH340G_N: IC1.6 USB2.2 | length 27.6
  Top Layer w0.152: USB2.2@6.194,75.326 6.27,75.25 8.047,75.25 15.032,68.265 30.036,68.265 IC1.6@30.609,67.691
CH340G_P: IC1.5 USB2.3 | length 31.5
  Top Layer w0.152: USB2.3@6.194,74.676 6.27,74.6 8.122,74.6 14.864,67.858 29.13,67.858 29.928,67.06 31.469,67.06 31.964,67.555 31.964,68.374 31.377,68.961 IC1.5@30.609,68.961
FSMC_A18: LCD1.2 U1.101 | length 87.7
  Top Layer w0.152: v2(66.603,72.263) 67.809,71.056 67.809,66.934 67.321,66.446 U1.101@67.321,65.634
  Bottom Layer w0.152: v2(66.603,72.263) 70.54,76.2 73.617,76.2 89.466,60.35 113.54,60.35 113.782,60.592 114.739,60.592 114.824,60.507 127.482,60.507 128.611,61.636 128.611,62.401 129.583,63.373 130.135,63.373 130.643,63.881 130.643,68.584 LCD1.2@129.627,69.6
FSMC_D0: LCD1.6 U1.104 | length 83.7
  Top Layer w0.152: U1.104@65.821,65.634 65.821,66.446 65.289,66.979 65.289,72.949 65.873,73.533 v2(65.873,74.041)
  Bottom Layer w0.152: v2(65.873,74.041) 65.873,73.787 65.991,73.905 65.991,74.744 67.752,76.505 110.273,76.505 125.966,60.812 127.356,60.812 128.103,61.559 128.103,63.5 129.123,64.52 LCD1.6@129.627,64.52
FSMC_D1: LCD1.7 U1.105 | length 78.5
  Top Layer w0.152: v2(64.984,73.809) 64.984,66.783 65.321,66.446 U1.105@65.321,65.634
  Bottom Layer w0.152: v2(64.984,73.809) 64.984,74.168 67.626,76.81 110.535,76.81 126.229,61.116 LCD1.7@126.96,61.848
FSMC_D2: LCD1.8 U1.142 | length 120.1
  Top Layer w0.152: U1.142@49.897,59.209 52.121,59.209 v2(52.157,59.245) ; v2(99.909,42.672) 104.177,42.672 108.711,47.206 110.785,49.28 120.57,49.28 126.797,43.053 130.897,43.053 131.837,43.993 131.837,59.77 LCD1.8@129.627,61.98
  Bottom Layer w0.152: v2(52.157,59.245) 52.111,59.245 50.468,57.603 50.468,51.975 58.539,43.904 98.677,43.904 v2(99.909,42.672)
FSMC_D3: LCD1.9 U1.143 | length 99.5
  Top Layer w0.152: U1.143@49.897,58.709 49.907,58.699 51.779,58.699 v2(52.058,58.42) ; v2(101.433,41.66) 103.596,41.66 108.926,46.99 v2(112.228,46.99) ; v2(124.662,58.839) 126.486,58.839 LCD1.9@127.087,59.44
  Bottom Layer w0.152: v2(52.058,58.42) 50.773,57.135 50.773,52.101 58.665,44.209 99.145,44.209 100.455,42.898 100.455,42.638 v2(101.433,41.66) ; v2(112.228,46.99) 112.228,50.736 120.331,58.839 v2(124.662,58.839)
FSMC_D4: LCD1.10 U1.68 | length 60.7
  Top Layer w0.152: U1.68@75.246,53.709 76.059,53.709 76.254,53.904 91.067,53.904 93.246,51.725 113.081,51.725 v2(114.895,49.911) ; v2(122.255,58.293) 128.48,58.293 LCD1.10@129.627,59.44
  Bottom Layer w0.152: v2(114.895,49.911) 114.895,50.933 v2(122.255,58.293)
FSMC_D5: LCD1.11 U1.69 | length 56.3
  Top Layer w0.152: U1.69@75.246,54.209 91.193,54.209 92.926,52.476 93.372,52.03 115.062,52.03 v2(116.546,50.546)
  Bottom Layer w0.152: v2(116.546,50.546) 116.546,51.064 122.382,56.9 LCD1.11@127.087,56.9
FSMC_D6: LCD1.12 U1.70 | length 57.9
  Top Layer w0.152: U1.70@75.246,54.709 76.059,54.709 76.254,54.514 91.319,54.514 93.052,52.781 93.32,52.513 93.498,52.335 117.043,52.335 v2(117.816,51.562)
  Bottom Layer w0.152: v2(117.816,51.562) 117.816,51.572 121.87,55.626 128.353,55.626 LCD1.12@129.627,56.9
FSMC_D7: LCD1.13 U1.73 | length 54.6
  Top Layer w0.152: U1.73@75.246,56.209 76.059,56.209 76.547,56.697 77.184,56.697 77.196,56.685 81.177,56.685 81.189,56.697 89.567,56.697 93.178,53.086 93.268,52.997 93.357,52.907 93.446,52.818 93.535,52.729 93.625,52.64 119.533,52.64 v2(119.594,52.578)
  Bottom Layer w0.152: v2(119.594,52.578) 119.594,52.705 121.249,54.36 LCD1.13@127.087,54.36